# Altium PCB PCB4.PcbDoc (part 6 of 12) (continued)
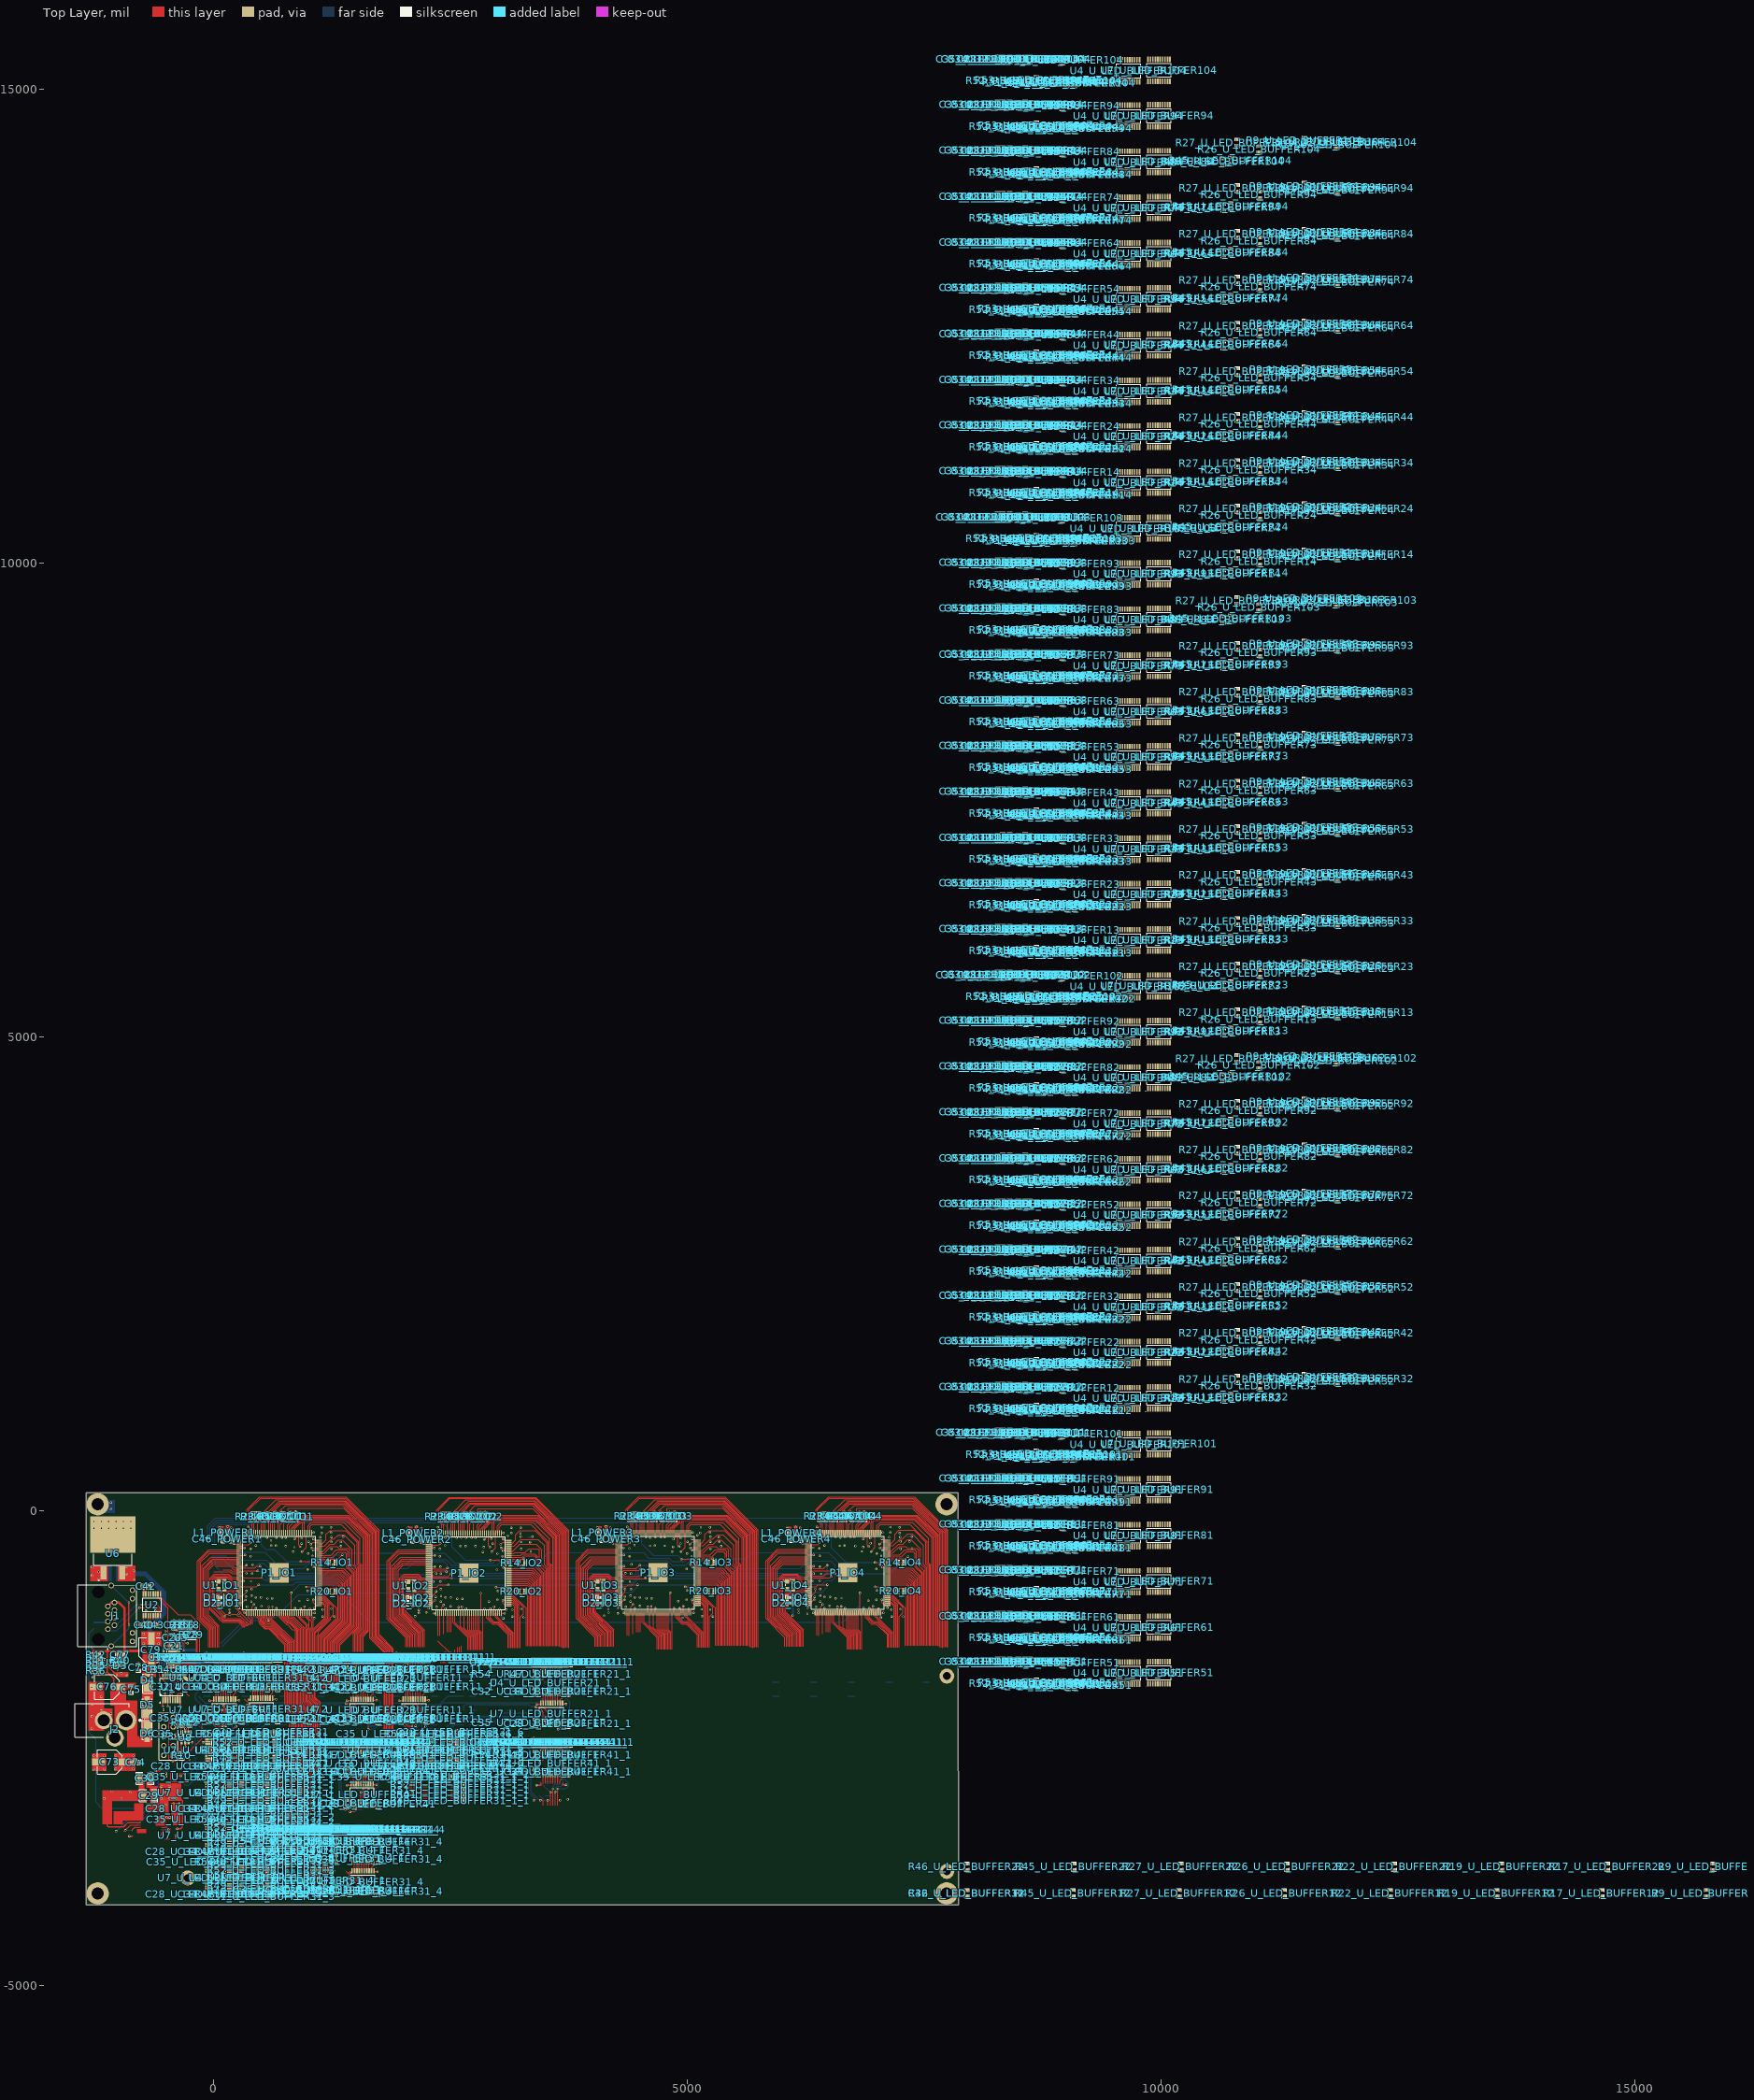
[diagram p0: Top Layer view]
## Nets (pads, with @x,y where several pads share a name; then routed paths per layer and width w, separated by ;. In a path a pad name is that pad's centre, name@x,y a point inside that pad or via, vN(x,y) a via of type N, cw(c..) or ccw(c..) an arc to the next point about the centre after c; other vN are vias at no path point) (continued)
  Top Layer w12: U3.4@-310.9,-1368.8 -310.9,-1370.83 -288.59,-1393.15 v1(-271.58,-1393.15)
  Top Layer w15: U2.15@-711.08,-871.53 -711.08,-838.28 -680.14,-807.34 C42.1@-680.14,-790.1 ; v1(-660,-2760) -652.5,-2767.5 -556.3,-2767.5 -555.8,-2767 -500.3,-2767 v1(-500,-2767.3) ; U14.8@-351.83,-1992.62 -351.87,-1992.66 -351.87,-2052.53 v1(-350.5,-2053.9) ; U14.9@-351.83,-1717.98 -351.83,-1728.64 -350,-1730.48 v1(-350,-1770) ; U7_U_LED_BUFFER31.19@-55.67,-2609.57 -0.43,-2609.57 v1(0,-2610) ; C32_U_LED_BUFFER11.2@-48.36,-1876.81 v1(-22.33,-1876.81) U4_U_LED_BUFFER11.11@3.7,-1876.81 ; v1(-39.95,-1999.69) 4.9,-1999.69 U7_U_LED_BUFFER11.10@4.9,-1984.02 ; v1(158.62,-2382.53) 158.62,-2403.46 159.35,-2404.19 160,-2404.84 U7_U_LED_BUFFER31.10@175.67,-2404.84 ; v1(164.26,-2673.1) 164.26,-2636.52 165.61,-2635.16 U7_U_LED_BUFFER31.1@175.67,-2635.16 ; U7_U_LED_BUFFER11.19@209.62,-2215.35 210.98,-2214 210.98,-2179.35 227.88,-2162.44 C28_U_LED_BUFFER11.2@290,-2162.44 ; U7_U_LED_BUFFER11.1@235.21,-1984.02 235.21,-1994.07 236.57,-1995.43 v1(273.16,-1995.43) ; U4_U_LED_BUFFER31.11@274.33,-2404.84 315.33,-2404.84 344.82,-2434.33 v1(344.82,-2436.28) ; C31_U_LED_BUFFER31.1@637.56,-2714.44 637.63,-2714.51 637.63,-2740.88 v1(637.7,-2740.94) ; C32_U_LED_BUFFER41.2@1401.64,-2776.81 1418.45,-2760 v1(1420,-2760) 1454.84,-2760 U4_U_LED_BUFFER41.11@1454.84,-2775.67 ; C32_U_LED_BUFFER21.2@1401.64,-1886.81 1418.45,-1870 v1(1420,-1870) 1454.84,-1870 U4_U_LED_BUFFER21.11@1454.84,-1885.67 ; v1(1410,-2890) 1454.84,-2890 U7_U_LED_BUFFER41.10@1454.84,-2874.33 ; v1(1410,-2000) 1454.84,-2000 U7_U_LED_BUFFER21.10@1454.84,-1984.33 ; U7_U_LED_BUFFER41.19@1659.57,-3105.67 1659.57,-3050.43 v1(1660,-3050) ; U7_U_LED_BUFFER21.19@1659.57,-2215.67 1659.57,-2160.43 v1(1660,-2160) ; U7_U_LED_BUFFER41.1@1685.16,-2874.33 1685.16,-2884.39 1686.52,-2885.74 v1(1723.1,-2885.74) ; U7_U_LED_BUFFER21.1@1685.16,-1984.33 1685.16,-1994.39 1686.52,-1995.74 v1(1723.1,-1995.74)
  Top Layer w20: U8.2@-297,-2338.69 -296.33,-2338.02 -296.33,-2298.77 -294.71,-2297.15 v1(-294.71,-2296.06)
  Top Layer w25: C21.1@-441.3,-1422.4 -441.3,-1481.6 C26.1@-421.7,-1501.2
  Bottom Layer w10: v1(369.2,-167.3) 383.02,-181.12 C9_POWER1.2@383.02,-221.06 ; v1(2370.3,-169.9) 2384.12,-183.72 C9_POWER2.2@2384.12,-223.66 ; v1(4367.2,-166.45) 4381.02,-180.27 C9_POWER3.2@4381.02,-220.21 ; C2_POWER4.2@6191.76,-250.3 6218.77,-250.3 v1@6230.17,-261.7 ; v1(6370.2,-166.3) 6384.02,-180.12 C9_POWER4.2@6384.02,-220.06 ; C54_POWER4.2@7008.2,-1080.42 7008.2,-1088.3 v1(7043.2,-1123.3)
  Bottom Layer w15: v1(-1280.45,-1435.11) -1280.45,-1437.05 -1269.4,-1448.1 R44.2@-1269.4,-1535.5 ; v1@-1273.08,-1757.52 -1269.46,-1753.9 R39.2@-1269.46,-1685.42 R38.1@-1269.46,-1629.89 R43.1@-1269.46,-1574.36 R44.2@-1269.46,-1518.82 ; v1(-1024.5,-3376.6) -837.9,-3190 -739.28,-3190 -660,-3110.72 -660,-2790 v1(-660,-2760)
  Bottom Layer w20: C39.1@-332.9,-2602.22 -331.68,-2603.44 -254.42,-2603.44 C37.1@-253.2,-2604.66 ; C38.1@-332.8,-2201.78 -331.73,-2200.71 -255.27,-2200.71 C36.1@-254.2,-2199.64 ; C2_POWER1.2@190.76,-251.3 216.41,-251.3 v1@232.2,-267.09 ; C54_POWER1.2@1007.2,-1081.42 1009.91,-1081.42 1056.28,-1127.78 1063.45,-1127.78 v1(1064.22,-1128.55) ; C2_POWER2.2@2191.86,-253.9 2218.5,-253.9 v1@2229.7,-265.1 ; C54_POWER2.2@3008.3,-1084.02 3011.02,-1084.02 3056.23,-1129.23 3059.23,-1129.23 v1(3060,-1130) ; C2_POWER3.2@4188.76,-250.45 4191.22,-252.91 4222.8,-252.91 4226.5,-256.61 4226.89,-256.61 4228,-257.72 v1@4228,-258.11 ; v1(4951.72,-1124.44) 4951.72,-1126.42 4951.33,-1126.81 4956.23,-1126.81 5002.48,-1080.57 C54_POWER3.2@5005.2,-1080.57 ; C48_POWER4.2@6114.64,-1022.3 6114.64,-1082.86 C56_POWER4.1@6115.08,-1083.3
  other v1: 1380,-3050 1740,-3040 -694.97,-2850.8 1740,-2800 -1261,-2722.7 -1149.2,-2722.7 -5.27,-2667.8 272.08,-2666.73 -770.3,-2650.5 -254.07,-2622.6 -1151.1,-2580.3 -1260.4,-2579 1763.79,-2428.97 1380.6,-2395.33 654.67,-2330.6 0,-2330 -1281.29,-2296.16 -270,-2200 -1280.29,-2164.16 1380,-2160 -70,-2150 320,-2150 1740,-2150 297.27,-2146.61 -1079.29,-2136.16 -1185.29,-2105.16 -1283.29,-2041.16 -1182.29,-1960.16 -866.2,-1924.9 1740,-1910 290,-1900 -1285.29,-1858.16 -1270.46,-1754.92 -102.01,-1648.5 -790.15,-1602.55 -933.76,-1575.22 1763.79,-1538.97 1360.8,-1523.19 -933.76,-1519.82 -69.4,-1495.33 -378.5,-1478.8 -441.3,-1452 -735.4,-1397.2 -577.5,-1397.2 -207.13,-1348.93 -504.4,-1310.5 -417.7,-1309 -735.4,-1295 -577.5,-1295 -504.4,-1267.3 -414.6,-1152.3 1153.4,-1112.58 3153.6,-1110.5 7156.2,-1110.3 2129,-1109 125.3,-1107.9 5154.5,-1107.3 4124,-1104.5 6114.2,-1103.3 268.7,-1082.6 6268.2,-1082.3 4267.2,-1079.7 2246.2,-1067.4 3155.2,-1040.9 3090,-1040 1155.1,-1039.3 7155.2,-1038.3 5150.5,-1035.6 1064.1,-1021.6 5062.8,-1021.6 7112.2,-1020.3 2356.3,-1010.5 4096,-1009.9 98.5,-1008.6 6358.2,-1009.3 356.4,-1008.5 4353.5,-1007.7 2097.5,-1006.2 2078.3,-971.9 77.2,-969.3 4075.2,-968.45 6078.2,-968.3 -609,-961.3 -710.3,-959.5 2401.7,-955.2 401.5,-952.6 2908.2,-952.6 4401.8,-952.9 6403.2,-953.3 4905.4,-949.4 907.9,-946.8 6910.2,-945.3 2997.3,-936.2 4993.6,-935.9 996.4,-933.6 6996.2,-934.3 2572.9,-925.1 2626.4,-923.4 573.6,-922.4 4568.7,-920 4623,-919.5 6566.89,-919.97 621.5,-918.4 6628.2,-917.3 2077.9,-911.5 2506.6,-911.9 504.1,-910.4 2451.41,-909.79 76.8,-908.9 447.7,-908.2 4074.8,-908.05 4446.6,-908 4501.9,-908 6077.8,-907.9 6448.2,-907.3 6506.2,-905.3 2403.4,-894.1 4401.8,-892.1 402.1,-891.1 6402.2,-889.3 3003.57,-841.62 996.5,-840.3 4997.5,-837.2 6998.2,-835.3 2401.7,-822.7 405.5,-821.5 4405.3,-822.4 2033.3,-820.9 6403.2,-821.3 32.2,-818.3 4030.2,-817.45 6033.2,-817.3 -684.38,-813.07 2396.9,-742.3 4394.8,-741.2 396.9,-740 6400.2,-735.3 -1210,-720 -1280,-680 6333.2,-659.3 2349.6,-658.1 348.5,-656.2 4347,-655 -1210,-640 2993.4,-616.5 994.1,-612.5 4992.4,-610.9 6994.2,-611.3 -1280,-590 395.8,-476.7 2391.6,-475.9 4393.8,-475.14 3050.5,-474.3 5045.5,-473.6 1047.8,-472.8 7047.2,-473.3 6397.2,-472.3 2998.9,-449.3 1000.8,-447.6 4997.8,-446.5 6998.2,-445.3 843.4,-428.5 3349.77,-428.2 4839.4,-426.2 2390.1,-399.3 392.4,-395.7 6395.2,-394.3 7372.2,-393.3 4389.8,-392.4 855.1,-380.3 2855.1,-379.7 6855.2,-379.3 4852.1,-376.4 764.59,-369.72 1347.6,-369.1 2764.99,-368.91 5356.76,-368.95 2609.68,-367.24 2661.3,-367.2 4609.1,-365.5 4659.6,-365 6612.2,-365.3 611.5,-364.1 662.5,-364.1 6662.2,-364.3 447.7,-361.5 6449.2,-361.3 2445.6,-360.2 4444,-359.5 2948.85,-342.24 932.4,-341.1 4930.1,-340.6 6934.2,-339.3 2108.5,-327.2 3344.3,-326.6 1343.7,-325.7 5340.82,-324.76 4107.6,-323.8 109.5,-322.8 7346.2,-320.3 6111.2,-318.3 2310,-280 6309.4,-275.2 1129,-274 7131.2,-273.3 231.9,-266.5 313,-265 2231.9,-265.1 6229.2,-264.3 4308.4,-261.6 3108.3,-257.8 4228.74,-257.38 5106.9,-254.1 3241.1,-232.8 7241.2,-229.3 5239.7,-226.86 1241.34,-226.14 270.35,-196.7 2271.3,-197.1 6272.2,-196.3 4268,-192.7 2192.4,-179.7 6192.2,-176.3 3241.92,-174.99 189.4,-174 4189.7,-172.8 1240.8,-171.1 5238.69,-171.32 7242.07,-171.25 2723.3,-11.9 722.2,-9.3 4720.2,-8.45 6723.2,-8.3
GPIO_0_IO1: P1_IO1.14 R47_U_LED_BUFFER11.2 | length 1211.1
  Top Layer w7: 60,-1440 60,-1208.66 -51.22,-1097.44 -51.22,-621.22 7.53,-562.47 P1_IO1.14@270.71,-562.47
GPIO_0_IO2: P1_IO2.14 R47_U_LED_BUFFER12.2 | length 1234.1
  Top Layer w7: 2140.73,-1432.6 2140.73,-1290.89 1949.88,-1100.04 1949.88,-623.82 2008.63,-565.07 P1_IO2.14@2271.81,-565.07
GPIO_0_IO3: P1_IO3.14 R47_U_LED_BUFFER13.2 | length 1234.1
  Top Layer w7: 4137.63,-1429.15 4137.63,-1287.44 3946.78,-1096.59 3946.78,-620.37 4005.53,-561.62 P1_IO3.14@4268.71,-561.62
GPIO_0_IO4: P1_IO4.14 R47_U_LED_BUFFER14.2 | length 1234.1
  Top Layer w7: 6140.63,-1429 6140.63,-1287.29 5949.78,-1096.44 5949.78,-620.22 6008.53,-561.47 P1_IO4.14@6271.71,-561.47
GPIO_1_IO1: P1_IO1.11 R48_U_LED_BUFFER11.2 | length 1303.4
  Top Layer w7: 10.35,-1440 10.35,-1229.22 -104.59,-1114.28 -104.59,-599.11 -8.9,-503.42 P1_IO1.11@270.71,-503.42
GPIO_1_IO2: P1_IO2.11 R48_U_LED_BUFFER12.2 | length 1326.4
  Top Layer w7: 2091.08,-1432.6 2091.08,-1311.45 1896.51,-1116.88 1896.51,-601.71 1992.2,-506.02 P1_IO2.11@2271.81,-506.02
GPIO_1_IO3: P1_IO3.11 R48_U_LED_BUFFER13.2 | length 1326.4
  Top Layer w7: 4087.98,-1429.15 4087.98,-1308.01 3893.41,-1113.43 3893.41,-598.26 3989.1,-502.57 P1_IO3.11@4268.71,-502.57
GPIO_1_IO4: P1_IO4.11 R48_U_LED_BUFFER14.2 | length 1326.4
  Top Layer w7: 6090.98,-1429 6090.98,-1307.86 5896.41,-1113.28 5896.41,-598.11 5992.1,-502.42 P1_IO4.11@6271.71,-502.42
GPIO_2_IO1: P1_IO1.12 R49_U_LED_BUFFER11.2 | length 1278.2
  Top Layer w7: 25.04,-1440 25.04,-1223.14 -90.59,-1107.5 -90.59,-604.91 -8.78,-523.1 P1_IO1.12@270.71,-523.1
GPIO_2_IO2: P1_IO2.12 R49_U_LED_BUFFER12.2 | length 1301.2
  Top Layer w7: 2105.78,-1432.6 2105.78,-1305.37 1910.51,-1110.1 1910.51,-607.51 1992.32,-525.7 P1_IO2.12@2271.81,-525.7
GPIO_2_IO3: P1_IO3.12 R49_U_LED_BUFFER13.2 | length 1301.2
  Top Layer w7: 4102.68,-1429.15 4102.68,-1301.92 3907.41,-1106.65 3907.41,-604.06 3989.22,-522.25 P1_IO3.12@4268.71,-522.25
GPIO_2_IO4: P1_IO4.12 R49_U_LED_BUFFER14.2 | length 1301.2
  Top Layer w7: 6105.68,-1429 6105.68,-1301.77 5910.41,-1106.5 5910.41,-603.91 5992.22,-522.1 P1_IO4.12@6271.71,-522.1
GPIO_3_IO1: P1_IO1.13 R50_U_LED_BUFFER11.2 | length 1244.6
  Top Layer w7: 42.52,-1440 42.52,-1215.9 -70.91,-1102.47 -70.91,-613.07 -0.63,-542.79 P1_IO1.13@270.71,-542.79
GPIO_3_IO2: P1_IO2.13 R50_U_LED_BUFFER12.2 | length 1267.6
  Top Layer w7: 2123.25,-1432.6 2123.25,-1298.13 1930.19,-1105.07 1930.19,-615.67 2000.47,-545.39 P1_IO2.13@2271.81,-545.39
GPIO_3_IO3: P1_IO3.13 R50_U_LED_BUFFER13.2 | length 1267.6
  Top Layer w7: 4120.15,-1429.15 4120.15,-1294.68 3927.09,-1101.62 3927.09,-612.22 3997.37,-541.94 P1_IO3.13@4268.71,-541.94
GPIO_3_IO4: P1_IO4.13 R50_U_LED_BUFFER14.2 | length 1267.6
  Top Layer w7: 6123.15,-1429 6123.15,-1294.53 5930.09,-1101.47 5930.09,-612.07 6000.37,-541.79 P1_IO4.13@6271.71,-541.79
GPIO_4_IO1: P1_IO1.10 R51_U_LED_BUFFER11.2 | length 1338.4
  Top Layer w7: -3.65,-1440 -3.65,-1235.02 -118.59,-1120.08 -118.59,-577.23 -25.09,-483.73 P1_IO1.10@270.71,-483.73
GPIO_4_IO2: P1_IO2.10 R51_U_LED_BUFFER12.2 | length 1361.4
  Top Layer w7: 2077.08,-1432.6 2077.08,-1317.25 1882.51,-1122.68 1882.51,-579.83 1976.01,-486.33 P1_IO2.10@2271.81,-486.33
GPIO_4_IO3: P1_IO3.10 R51_U_LED_BUFFER13.2 | length 1361.4
  Top Layer w7: 4073.98,-1429.15 4073.98,-1313.8 3879.41,-1119.23 3879.41,-576.39 3972.91,-482.88 P1_IO3.10@4268.71,-482.88
GPIO_4_IO4: P1_IO4.10 R51_U_LED_BUFFER14.2 | length 1361.4
  Top Layer w7: 6076.98,-1429 6076.98,-1313.65 5882.41,-1119.08 5882.41,-576.23 5975.91,-482.73 P1_IO4.10@6271.71,-482.73
GPIO_5_IO1: P1_IO1.6 R52_U_LED_BUFFER11.2 | length 1454.1
  Top Layer w7: -49.63,-1440 -49.63,-1254.07 -168.87,-1134.83 -168.87,-524.19 -49.67,-404.99 P1_IO1.6@270.71,-404.99
GPIO_5_IO2: P1_IO2.6 R52_U_LED_BUFFER12.2 | length 1477.1
  Top Layer w7: 2031.1,-1432.6 2031.1,-1336.3 1832.23,-1137.43 1832.23,-526.79 1951.43,-407.59 P1_IO2.6@2271.81,-407.59
GPIO_5_IO3: P1_IO3.6 R52_U_LED_BUFFER13.2 | length 1477.1
  Top Layer w7: 4028,-1429.15 4028,-1332.85 3829.13,-1133.98 3829.13,-523.34 3948.33,-404.14 P1_IO3.6@4268.71,-404.14
GPIO_5_IO4: P1_IO4.6 R52_U_LED_BUFFER14.2 | length 1477.1
  Top Layer w7: 6031,-1429 6031,-1332.7 5832.13,-1133.83 5832.13,-523.19 5951.33,-403.99 P1_IO4.6@6271.71,-403.99
GPIO_6_IO1: P1_IO1.7 R53_U_LED_BUFFER11.2 | length 1424.9
  Top Layer w7: -33.05,-1440 -33.05,-1247.2 -149.12,-1131.13 -149.12,-524.24 -49.55,-424.68 P1_IO1.7@270.71,-424.68
GPIO_6_IO2: P1_IO2.7 R53_U_LED_BUFFER12.2 | length 1447.9
  Top Layer w7: 2047.68,-1432.6 2047.68,-1329.43 1851.98,-1133.73 1851.98,-526.84 1951.55,-427.28 P1_IO2.7@2271.81,-427.28
GPIO_6_IO3: P1_IO3.7 R53_U_LED_BUFFER13.2 | length 1447.9
  Top Layer w7: 4044.58,-1429.15 4044.58,-1325.98 3848.88,-1130.28 3848.88,-523.39 3948.45,-423.83 P1_IO3.7@4268.71,-423.83
GPIO_6_IO4: P1_IO4.7 R53_U_LED_BUFFER14.2 | length 1447.9
  Top Layer w7: 6047.58,-1429 6047.58,-1325.83 5851.88,-1130.13 5851.88,-523.24 5951.45,-423.68 P1_IO4.7@6271.71,-423.68
GPIO_7_IO1: P1_IO1.8 R54_U_LED_BUFFER11.2 | length 1392.8
  Top Layer w7: -19.05,-1440 -19.05,-1241.4 -132.91,-1127.53 -132.91,-535.88 -41.4,-444.36 P1_IO1.8@270.71,-444.36
GPIO_7_IO2: P1_IO2.8 R54_U_LED_BUFFER12.2 | length 1415.8
  Top Layer w7: 2061.68,-1432.6 2061.68,-1323.63 1868.19,-1130.13 1868.19,-538.48 1959.7,-446.96 P1_IO2.8@2271.81,-446.96
GPIO_7_IO3: P1_IO3.8 R54_U_LED_BUFFER13.2 | length 1415.8
  Top Layer w7: 4058.58,-1429.15 4058.58,-1320.18 3865.09,-1126.68 3865.09,-535.03 3956.6,-443.51 P1_IO3.8@4268.71,-443.51
GPIO_7_IO4: P1_IO4.8 R54_U_LED_BUFFER14.2 | length 1415.8
  Top Layer w7: 6061.58,-1429 6061.58,-1320.03 5868.09,-1126.53 5868.09,-534.88 5959.6,-443.36 P1_IO4.8@6271.71,-443.36
GPIO_8_IO1: P1_IO1.141 R47_U_LED_BUFFER21.2 | length 4090.9
  Top Layer w7: P1_IO1.141@408.03,-228.3 408.03,-137.28 356.33,-85.57 356.33,16.13 489.73,149.53 1399.07,149.53 1750.42,-201.83 1750.42,-1300.42 1900,-1450 1900,-2370
GPIO_8_IO2: P1_IO2.141 R47_U_LED_BUFFER22.2 | length 3098.2
  Top Layer w7: P1_IO2.141@2409.13,-230.9 2409.13,-139.88 2357.43,-88.17 2357.43,13.53 2490.83,146.93 3400.17,146.93 3751.52,-204.43 3751.52,-1441.91
GPIO_8_IO3: P1_IO3.141 R47_U_LED_BUFFER23.2 | length 3098.2
  Top Layer w7: P1_IO3.141@4406.03,-227.45 4406.03,-136.43 4354.33,-84.72 4354.33,16.98 4487.73,150.38 5397.07,150.38 5748.42,-200.98 5748.42,-1438.46
GPIO_8_IO4: P1_IO4.141 R47_U_LED_BUFFER24.2 | length 3098.2
  Top Layer w7: P1_IO4.141@6409.03,-227.3 6409.03,-136.28 6357.33,-84.57 6357.33,17.13 6490.73,150.53 7400.07,150.53 7751.42,-200.83 7751.42,-1438.31
GPIO_9_IO1: P1_IO1.132 R48_U_LED_BUFFER21.2 | length 3740.2
  Top Layer w7: P1_IO1.132@585.2,-228.3 585.2,-111.65 592.2,-104.65 592.2,2.2 696.15,106.15 1383.05,106.15 1708.42,-219.23 1708.42,-1317.82 1858,-1467.4 1858,-2370
GPIO_9_IO2: P1_IO2.132 R48_U_LED_BUFFER22.2 | length 2744.3
  Top Layer w7: P1_IO2.132@2586.3,-230.9 2586.3,-114.25 2593.3,-107.25 2593.3,-0.4 2697.25,103.55 3384.15,103.55 3709.52,-221.83 3709.52,-1438.64
GPIO_9_IO3: P1_IO3.132 R48_U_LED_BUFFER23.2 | length 2744.3
  Top Layer w7: P1_IO3.132@4583.2,-227.45 4583.2,-110.8 4590.2,-103.8 4590.2,3.05 4694.15,107 5381.05,107 5706.42,-218.38 5706.42,-1435.19
GPIO_9_IO4: P1_IO4.132 R48_U_LED_BUFFER24.2 | length 2744.3
  Top Layer w7: P1_IO4.132@6586.2,-227.3 6586.2,-110.65 6593.2,-103.65 6593.2,3.2 6697.15,107.15 7384.05,107.15 7709.42,-218.23 7709.42,-1435.04
GPIO_10_IO1: P1_IO1.135 R49_U_LED_BUFFER21.2 | length 3823.7
  Top Layer w7: P1_IO1.135@526.14,-228.3 526.14,-14.53 662.2,121.53 1387.47,121.53 1722.42,-213.43 1722.42,-1312.02 1872,-1461.6 1872,-2370
GPIO_10_IO2: P1_IO2.135 R49_U_LED_BUFFER22.2 | length 2826.1
  Top Layer w7: P1_IO2.135@2527.24,-230.9 2527.24,-17.13 2663.3,118.93 3388.57,118.93 3723.52,-216.03 3723.52,-1436.95
GPIO_10_IO3: P1_IO3.135 R49_U_LED_BUFFER23.2 | length 2826.1
  Top Layer w7: P1_IO3.135@4524.14,-227.45 4524.14,-13.68 4660.2,122.38 5385.47,122.38 5720.42,-212.58 5720.42,-1433.5
GPIO_10_IO4: P1_IO4.135 R49_U_LED_BUFFER24.2 | length 2826.1
  Top Layer w7: P1_IO4.135@6527.14,-227.3 6527.14,-13.53 6663.2,122.53 7388.47,122.53 7723.42,-212.43 7723.42,-1433.35
GPIO_11_IO1: P1_IO1.140 R50_U_LED_BUFFER21.2 | length 4042.8
  Top Layer w7: P1_IO1.140@427.72,-228.3 427.72,-137.17 375.22,-84.67 375.22,15.22 495.52,135.53 1393.27,135.53 1736.42,-207.63 1736.42,-1306.22 1886,-1455.8 1886,-2370
GPIO_11_IO2: P1_IO2.140 R50_U_LED_BUFFER22.2 | length 3044.3
  Top Layer w7: P1_IO2.140@2428.82,-230.9 2428.82,-139.77 2376.32,-87.27 2376.32,12.62 2496.62,132.93 3394.37,132.93 3737.52,-210.23 3737.52,-1436.11
GPIO_11_IO3: P1_IO3.140 R50_U_LED_BUFFER23.2 | length 3044.3
  Top Layer w7: P1_IO3.140@4425.72,-227.45 4425.72,-136.32 4373.22,-83.82 4373.22,16.07 4493.52,136.38 5391.27,136.38 5734.42,-206.78 5734.42,-1432.66
GPIO_11_IO4: P1_IO4.140 R50_U_LED_BUFFER24.2 | length 3044.3
  Top Layer w7: P1_IO4.140@6428.72,-227.3 6428.72,-136.17 6376.22,-83.67 6376.22,16.22 6496.52,136.53 7394.27,136.53 7737.42,-206.63 7737.42,-1432.51
GPIO_12_IO1: P1_IO1.131 R51_U_LED_BUFFER21.2 | length 3686.5
  Top Layer w7: P1_IO1.131@604.88,-228.3 604.88,-111.76 610.57,-106.08 610.57,-4.68 705.24,90 1379.4,90 1694.42,-225.02 1694.42,-1323.62 1844,-1473.2 1844,-2370
GPIO_12_IO2: P1_IO2.131 R51_U_LED_BUFFER22.2 | length 2697.7
  Top Layer w7: P1_IO2.131@2605.98,-230.9 2605.98,-114.36 2611.67,-108.68 2611.67,-7.28 2706.34,87.4 3380.5,87.4 3695.52,-227.62 3695.52,-1445.79
GPIO_12_IO3: P1_IO3.131 R51_U_LED_BUFFER23.2 | length 2697.7
  Top Layer w7: P1_IO3.131@4602.88,-227.45 4602.88,-110.91 4608.57,-105.23 4608.57,-3.83 4703.24,90.85 5377.4,90.85 5692.42,-224.17 5692.42,-1442.35
GPIO_12_IO4: P1_IO4.131 R51_U_LED_BUFFER24.2 | length 2697.7
  Top Layer w7: P1_IO4.131@6605.88,-227.3 6605.88,-110.76 6611.57,-105.08 6611.57,-3.68 6706.24,91 7380.4,91 7695.42,-224.02 7695.42,-1442.19
GPIO_13_IO1: P1_IO1.124 R52_U_LED_BUFFER21.2 | length 3437.3
  Top Layer w7: P1_IO1.124@742.68,-228.3 742.68,-125.96 788.2,-80.44 788.2,25.9 792.3,30 1373.08,30 1652.42,-249.34 1652.42,-1341.01 1802,-1490.59 1802,-2370
GPIO_13_IO2: P1_IO2.124 R52_U_LED_BUFFER22.2 | length 2431.1
  Top Layer w7: P1_IO2.124@2743.78,-230.9 2743.78,-128.56 2789.3,-83.04 2789.3,23.3 2793.4,27.4 3374.18,27.4 3653.52,-251.94 3653.52,-1428.4
GPIO_13_IO3: P1_IO3.124 R52_U_LED_BUFFER23.2 | length 2431.1
  Top Layer w7: P1_IO3.124@4740.68,-227.45 4740.68,-125.11 4786.2,-79.59 4786.2,26.75 4790.3,30.85 5371.08,30.85 5650.42,-248.49 5650.42,-1424.95
GPIO_13_IO4: P1_IO4.124 R52_U_LED_BUFFER24.2 | length 2431.1
  Top Layer w7: P1_IO4.124@6743.68,-227.3 6743.68,-124.96 6789.2,-79.44 6789.2,26.9 6793.3,31 7374.08,31 7653.42,-248.34 7653.42,-1424.8
GPIO_14_IO1: P1_IO1.127 R53_U_LED_BUFFER21.2 | length 3546.4
  Top Layer w7: P1_IO1.127@683.62,-228.3 683.62,-110.22 699.7,-94.15 699.7,0.02 761.68,62 1367.8,62 1666.42,-236.62 1666.42,-1335.21 1816,-1484.79 1816,-2370
GPIO_14_IO2: P1_IO2.127 R53_U_LED_BUFFER22.2 | length 2546
  Top Layer w7: P1_IO2.127@2684.72,-230.9 2684.72,-112.82 2700.8,-96.75 2700.8,-2.58 2762.78,59.4 3368.9,59.4 3667.52,-239.22 3667.52,-1434.2
GPIO_14_IO3: P1_IO3.127 R53_U_LED_BUFFER23.2 | length 2546
  Top Layer w7: P1_IO3.127@4681.62,-227.45 4681.62,-109.37 4697.7,-93.3 4697.7,0.87 4759.68,62.85 5365.8,62.85 5664.42,-235.77 5664.42,-1430.75
GPIO_14_IO4: P1_IO4.127 R53_U_LED_BUFFER24.2 | length 2546
  Top Layer w7: P1_IO4.127@6684.62,-227.3 6684.62,-109.22 6700.7,-93.15 6700.7,1.02 6762.68,63 7368.8,63 7667.42,-235.62 7667.42,-1430.6
GPIO_15_IO1: P1_IO1.130 R54_U_LED_BUFFER21.2 | length 3636.2
  Top Layer w7: P1_IO1.130@624.57,-228.3 624.57,-13.11 713.68,76 1373.6,76 1680.42,-230.82 1680.42,-1329.41 1830,-1478.99 1830,-2370
GPIO_15_IO2: P1_IO2.130 R54_U_LED_BUFFER22.2 | length 2641.6
  Top Layer w7: P1_IO2.130@2625.67,-230.9 2625.67,-15.71 2714.78,73.4 3374.7,73.4 3681.52,-233.42 3681.52,-1440
GPIO_15_IO3: P1_IO3.130 R54_U_LED_BUFFER23.2 | length 2641.6
  Top Layer w7: P1_IO3.130@4622.57,-227.45 4622.57,-12.26 4711.68,76.85 5371.6,76.85 5678.42,-229.97 5678.42,-1436.55
GPIO_15_IO4: P1_IO4.130 R54_U_LED_BUFFER24.2 | length 2641.6
  Top Layer w7: P1_IO4.130@6625.57,-227.3 6625.57,-12.11 6714.68,77 7374.6,77 7681.42,-229.82 7681.42,-1436.4
GPIO_16_IO1: P1_IO1.120 R47_U_LED_BUFFER31.2 | length 2270.7
  Top Layer w7: P1_IO1.120@821.42,-228.3 821.42,-181.43 898.2,-104.65 898.2,-85.92 943.01,-41.11 1424.39,-41.11 1638.42,-255.14 1638.42,-1265.94 1580,-1324.36 1580,-1480
GPIO_16_IO2: P1_IO2.120 R47_U_LED_BUFFER32.2 | length 2186.5
  Top Layer w7: P1_IO2.120@2822.52,-230.9 2822.52,-184.03 2899.3,-107.25 2899.3,-88.52 2944.11,-43.71 3425.49,-43.71 3639.52,-257.74 3639.52,-1422.6
GPIO_16_IO3: P1_IO3.120 R47_U_LED_BUFFER33.2 | length 2186.5
  Top Layer w7: P1_IO3.120@4819.42,-227.45 4819.42,-180.58 4896.2,-103.8 4896.2,-85.07 4941.01,-40.26 5422.39,-40.26 5636.42,-254.29 5636.42,-1419.15
GPIO_16_IO4: P1_IO4.120 R47_U_LED_BUFFER34.2 | length 2186.5
  Top Layer w7: P1_IO4.120@6822.42,-227.3 6822.42,-180.43 6899.2,-103.65 6899.2,-84.92 6944.01,-40.11 7425.39,-40.11 7639.42,-254.14 7639.42,-1419
GPIO_17_IO1: P1_IO1.114 R48_U_LED_BUFFER31.2 | length 2097.6
  Top Layer w7: P1_IO1.114@939.53,-228.3 939.53,-122.71 945.21,-117.03 945.21,-98.3 960.4,-83.11 1402.91,-83.11 1596.42,-276.62 1596.42,-1248.55 1538,-1306.97 1538,-1480
GPIO_17_IO2: P1_IO2.114 R48_U_LED_BUFFER32.2 | length 2013.4
  Top Layer w7: P1_IO2.114@2940.63,-230.9 2940.63,-125.31 2946.31,-119.63 2946.31,-100.9 2961.5,-85.71 3404.01,-85.71 3597.52,-279.22 3597.52,-1422.6
GPIO_17_IO3: P1_IO3.114 R48_U_LED_BUFFER33.2 | length 2013.4
  Top Layer w7: P1_IO3.114@4937.53,-227.45 4937.53,-121.86 4943.21,-116.18 4943.21,-97.45 4958.4,-82.26 5400.91,-82.26 5594.42,-275.77 5594.42,-1419.15
GPIO_17_IO4: P1_IO4.114 R48_U_LED_BUFFER34.2 | length 2013.4
  Top Layer w7: P1_IO4.114@6940.53,-227.3 6940.53,-121.71 6946.21,-116.03 6946.21,-97.3 6961.4,-82.11 7403.91,-82.11 7597.42,-275.62 7597.42,-1419
GPIO_18_IO1: P1_IO1.118 R49_U_LED_BUFFER31.2 | length 2173.2
  Top Layer w7: P1_IO1.118@860.79,-228.3 860.79,-181.66 926.2,-116.25 926.2,-97.52 954.61,-69.11 1412.79,-69.11 1610.42,-266.74 1610.42,-1254.35 1552,-1312.77 1552,-1480
GPIO_18_IO2: P1_IO2.118 R49_U_LED_BUFFER32.2 | length 2089
  Top Layer w7: P1_IO2.118@2861.89,-230.9 2861.89,-184.26 2927.3,-118.85 2927.3,-100.12 2955.71,-71.71 3413.89,-71.71 3611.52,-269.34 3611.52,-1422.6
GPIO_18_IO3: P1_IO3.118 R49_U_LED_BUFFER33.2 | length 2089
  Top Layer w7: P1_IO3.118@4858.79,-227.45 4858.79,-180.81 4924.2,-115.4 4924.2,-96.67 4952.61,-68.26 5410.79,-68.26 5608.42,-265.89 5608.42,-1419.15
GPIO_18_IO4: P1_IO4.118 R49_U_LED_BUFFER34.2 | length 2089
  Top Layer w7: P1_IO4.118@6861.79,-227.3 6861.79,-180.66 6927.2,-115.25 6927.2,-96.52 6955.61,-68.11 7413.79,-68.11 7611.42,-265.74 7611.42,-1419
GPIO_19_IO1: P1_IO1.119 R50_U_LED_BUFFER31.2 | length 2221.9
  Top Layer w7: P1_IO1.119@841.1,-228.3 841.1,-181.54 912.2,-110.45 912.2,-91.72 948.81,-55.11 1418.59,-55.11 1624.42,-260.94 1624.42,-1260.14 1566,-1318.56 1566,-1480
GPIO_19_IO2: P1_IO2.119 R50_U_LED_BUFFER32.2 | length 2137.7
  Top Layer w7: P1_IO2.119@2842.2,-230.9 2842.2,-184.14 2913.3,-113.05 2913.3,-94.32 2949.91,-57.71 3419.69,-57.71 3625.52,-263.54 3625.52,-1422.6
GPIO_19_IO3: P1_IO3.119 R50_U_LED_BUFFER33.2 | length 2137.7
  Top Layer w7: P1_IO3.119@4839.1,-227.45 4839.1,-180.69 4910.2,-109.6 4910.2,-90.87 4946.81,-54.26 5416.59,-54.26 5622.42,-260.09 5622.42,-1419.15
GPIO_19_IO4: P1_IO4.119 R50_U_LED_BUFFER34.2 | length 2137.7
  Top Layer w7: P1_IO4.119@6842.1,-227.3 6842.1,-180.54 6913.2,-109.45 6913.2,-90.72 6949.81,-54.11 7419.59,-54.11 7625.42,-259.94 7625.42,-1419
GPIO_20_IO1: P1_IO1.113 R51_U_LED_BUFFER31.2 | length 2046.4
  Top Layer w7: P1_IO1.113@959.21,-228.3 959.21,-104.1 963.31,-100 1400,-100 1582.42,-282.42 1582.42,-1242.75 1524,-1301.17 1524,-1480
GPIO_20_IO2: P1_IO2.113 R51_U_LED_BUFFER32.2 | length 1962.2
  Top Layer w7: P1_IO2.113@2960.31,-230.9 2960.31,-106.7 2964.41,-102.6 3401.1,-102.6 3583.52,-285.02 3583.52,-1422.6
GPIO_20_IO3: P1_IO3.113 R51_U_LED_BUFFER33.2 | length 1962.2
  Top Layer w7: P1_IO3.113@4957.21,-227.45 4957.21,-103.25 4961.31,-99.15 5398,-99.15 5580.42,-281.57 5580.42,-1419.15
GPIO_20_IO4: P1_IO4.113 R51_U_LED_BUFFER34.2 | length 1962.2
  Top Layer w7: P1_IO4.113@6960.21,-227.3 6960.21,-103.1 6964.31,-99 7401,-99 7583.42,-281.42 7583.42,-1419
GPIO_21_IO1: P1_IO1.106 R52_U_LED_BUFFER31.2 | length 1731.7
  Top Layer w7: P1_IO1.106@1116.22,-345.94 1118.63,-343.53 1148.73,-343.53 1190.37,-301.89 1190.37,-245.29 1232.02,-203.64 1393.64,-203.64 1518.64,-328.64 1518.64,-558.64 1540.42,-580.42 1540.42,-1225.35 1480,-1285.77 1480,-1480
GPIO_21_IO2: P1_IO2.106 R52_U_LED_BUFFER32.2 | length 1646.7
  Top Layer w7: P1_IO2.106@3117.32,-348.54 3119.73,-346.13 3149.83,-346.13 3191.47,-304.49 3191.47,-247.89 3233.12,-206.24 3394.74,-206.24 3519.74,-331.24 3519.74,-561.24 3541.52,-583.02 3541.52,-1422.6
GPIO_21_IO3: P1_IO3.106 R52_U_LED_BUFFER33.2 | length 1646.7
  Top Layer w7: P1_IO3.106@5114.22,-345.09 5116.63,-342.68 5146.73,-342.68 5188.37,-301.04 5188.37,-244.44 5230.02,-202.79 5391.64,-202.79 5516.64,-327.79 5516.64,-557.79 5538.42,-579.57 5538.42,-1419.15
GPIO_21_IO4: P1_IO4.106 R52_U_LED_BUFFER34.2 | length 1646.7
  Top Layer w7: P1_IO4.106@7117.22,-344.94 7119.63,-342.53 7149.73,-342.53 7191.37,-300.89 7191.37,-244.29 7233.02,-202.64 7394.64,-202.64 7519.64,-327.64 7519.64,-557.64 7541.42,-579.42 7541.42,-1419
GPIO_22_IO1: P1_IO1.110 R53_U_LED_BUFFER31.2 | length 1856.1
  Top Layer w7: P1_IO1.110@1018.27,-228.3 1018.27,-161.73 1040,-140 1349.8,-140 1532.64,-322.84 1532.64,-552.84 1554.42,-574.62 1554.42,-1231.15 1496,-1289.57 1496,-1480
GPIO_22_IO2: P1_IO2.110 R53_U_LED_BUFFER32.2 | length 1771.9
  Top Layer w7: P1_IO2.110@3019.37,-230.9 3019.37,-164.33 3041.1,-142.6 3350.9,-142.6 3533.74,-325.44 3533.74,-555.44 3555.52,-577.22 3555.52,-1422.6
GPIO_22_IO3: P1_IO3.110 R53_U_LED_BUFFER33.2 | length 1771.9
  Top Layer w7: P1_IO3.110@5016.27,-227.45 5016.27,-160.88 5038,-139.15 5347.8,-139.15 5530.64,-321.99 5530.64,-551.99 5552.42,-573.77 5552.42,-1419.15
GPIO_22_IO4: P1_IO4.110 R53_U_LED_BUFFER34.2 | length 1771.9
  Top Layer w7: P1_IO4.110@7019.27,-227.3 7019.27,-160.73 7041,-139 7350.8,-139 7533.64,-321.84 7533.64,-551.84 7555.42,-573.62 7555.42,-1419
GPIO_23_IO1: P1_IO1.111 R54_U_LED_BUFFER31.2 | length 1930.8
  Top Layer w7: P1_IO1.111@998.58,-228.3 998.58,-153.57 1031.84,-120.31 1378.15,-120.31 1548.1,-290.26 1548.1,-548.51 1568.42,-568.82 1568.42,-1236.95 1510,-1295.37 1510,-1480
GPIO_23_IO2: P1_IO2.111 R54_U_LED_BUFFER32.2 | length 1846.6
  Top Layer w7: P1_IO2.111@2999.68,-230.9 2999.68,-156.17 3032.94,-122.91 3379.25,-122.91 3549.2,-292.86 3549.2,-551.11 3569.52,-571.42 3569.52,-1422.6
GPIO_23_IO3: P1_IO3.111 R54_U_LED_BUFFER33.2 | length 1846.6
  Top Layer w7: P1_IO3.111@4996.58,-227.45 4996.58,-152.73 5029.84,-119.46 5376.15,-119.46 5546.1,-289.41 5546.1,-547.66 5566.42,-567.97 5566.42,-1419.15
GPIO_23_IO4: P1_IO4.111 R54_U_LED_BUFFER34.2 | length 1846.6
  Top Layer w7: P1_IO4.111@6999.58,-227.3 6999.58,-152.57 7032.84,-119.31 7379.15,-119.31 7549.1,-289.26 7549.1,-547.51 7569.42,-567.82 7569.42,-1419
GPIO_24_IO1: P1_IO1.105 R47_U_LED_BUFFER41.2 | length 2064.4
  Top Layer w7: P1_IO1.105@1116.22,-365.62 1174.06,-365.62 1244.88,-294.8 1272.42,-294.8 1319.27,-247.96 1379.11,-247.96 1493.25,-362.09 1493.25,-563.25 1526.42,-596.42 1526.42,-1219.55 1334.08,-1411.89 1334.08,-1860
GPIO_24_IO2: P1_IO2.105 R47_U_LED_BUFFER42.2 | length 1505.9
  Top Layer w7: P1_IO2.105@3117.32,-368.22 3175.16,-368.22 3245.98,-297.4 3427.05,-297.4 3494.35,-364.69 3494.35,-565.85 3527.52,-599.02 3527.52,-1422.6
GPIO_24_IO3: P1_IO3.105 R47_U_LED_BUFFER43.2 | length 1544.7
  Top Layer w7: P1_IO3.105@5114.22,-364.77 5172.06,-364.77 5242.88,-293.95 5270.42,-293.95 5317.27,-247.11 5377.11,-247.11 5491.25,-361.24 5491.25,-562.4 5524.42,-595.57 5524.42,-1419.15
GPIO_24_IO4: P1_IO4.105 R47_U_LED_BUFFER44.2 | length 1549.5
  Top Layer w7: P1_IO4.105@7117.22,-364.62 7175.06,-364.62 7245.88,-293.8 7273.42,-293.8 7326.11,-241.12 7374.27,-241.12 7494.25,-361.09 7494.25,-562.25 7527.42,-595.42 7527.42,-1419